# KiCad board Boston-keyboard-V06-1D.kicad_pcb (continued)
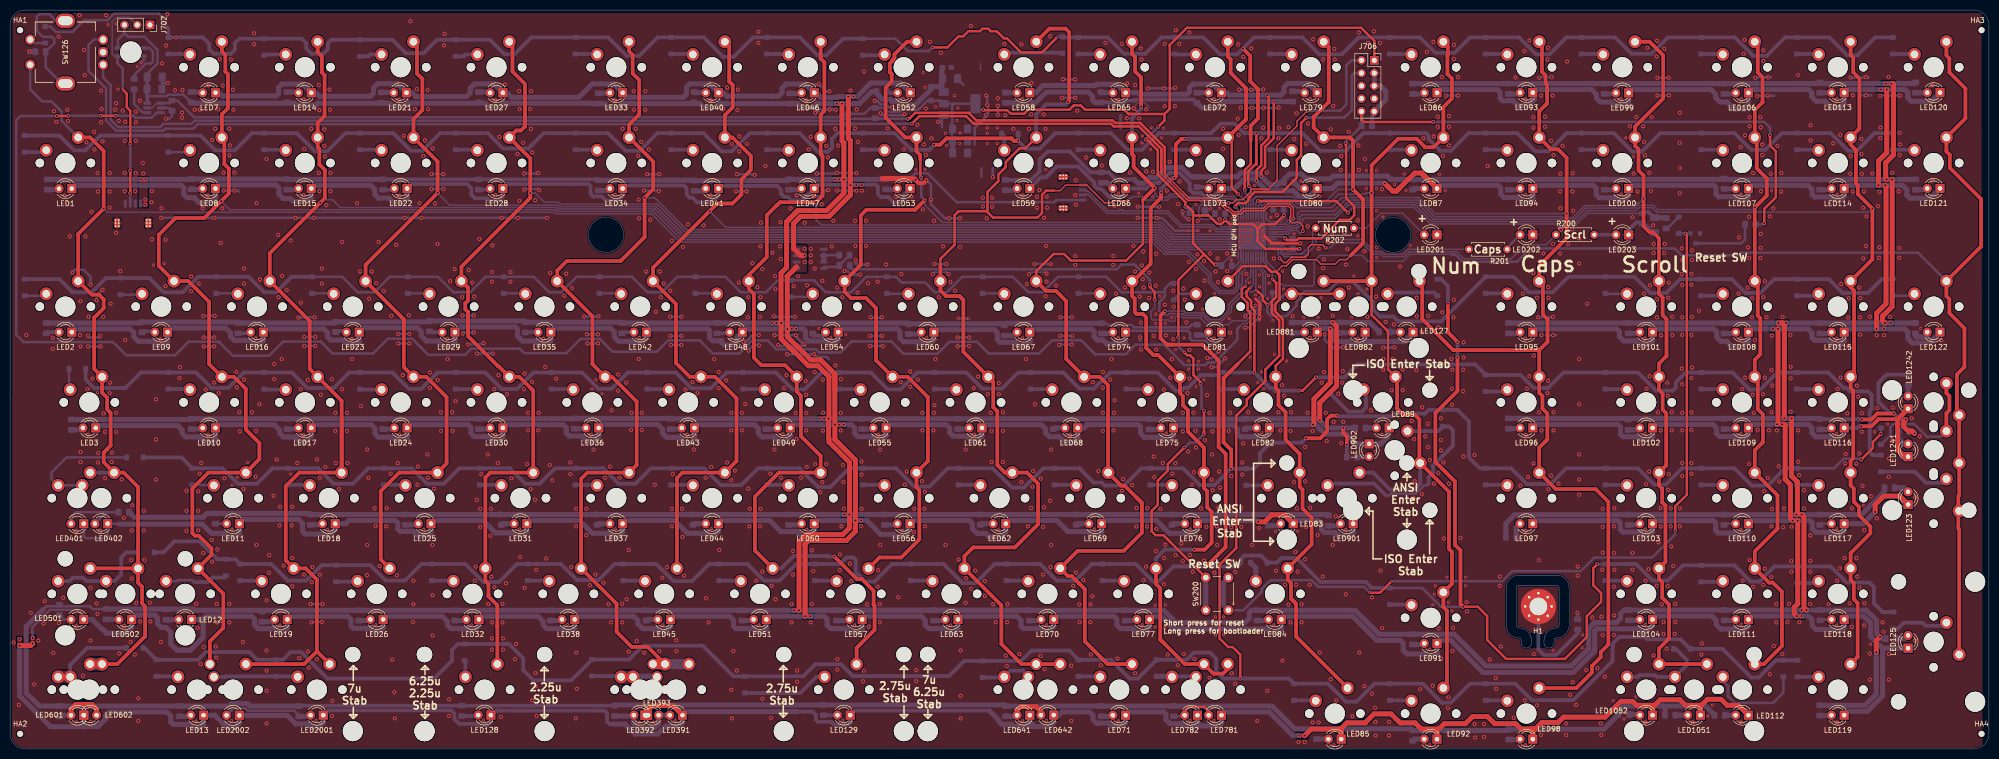
[diagram p0: board, top side]
## Routing (per net, layer and track width the routed paths; a pad name or vN(x,y) marks a point on that pad's centre or on a via; arc(x,y) is an arc through that point) (continued)
BOOT0: length 89.3
  Top w0.5: v1(248.1,109) 263.7,109 v1(266,106.7)
  Bottom w0.3: R702.2 313.65,106.55 ; 313.65,106.55 311.32,104.22 311.32,104.12 308.08,104.12 307.76,104.44 282.45,104.44 279.13,107.76 267.06,107.76 v1(266,106.7) ; 313.65,106.55 313.06,105.96 ; U701.44 247.71,108.61 v1(248.1,109)
  Bottom w0.75: 327,105.6 325.8,106.8 324.7,106.8
  Bottom w1: C715.1 329.21,105.69 R711.1
CAP_INDICATOR: length 3.9
  Bottom w0.5: LED202.2 297.7,99.75 R201.1
Col1: length 406.7
  Top w0.5: 26.24,35.14 SW5-2.1
  Top w0.75: SW6-1.1 21.32,16.88 26.86,22.42 26.86,22.42 26.86,28.33 26.24,28.94 26.24,32.28 25.45,33.07 SW5-2.1 ; SW5-1.1 SW5-2.1 ; SW5-2.1 25.45,52.12 22.59,54.98 SW4-2.1 18.62,57.04 18.62,58.95 19.32,59.65 19.32,59.7 20,60.38 20,66.88 19.3,67.58 19.3,69.88 18.3,70.87 SW3.1 16.72,75.62 16.72,85.79 18.62,87.69 18.62,89.43 17.67,90.38 16.24,90.38 SW2.1 13.54,102.45 v1(18.62,107.53) 18.62,118.96 15.92,121.66 SW1.1
  Bottom w0.3: 234.06,98.42 233.76,98.42 ; 234.06,98.42 238.3,94.17 238.3,92.78 240.41,90.66 243.4,90.66 244.29,91.56 244.29,94.33 244.52,94.56 244.52,95.46 245.71,96.65 U701.21 ; 234.06,98.42 229.53,98.42 227.11,100.84 133.16,100.84 127.54,106.46 108.53,106.46 108.23,106.76 19.39,106.76 v1(18.62,107.53)
  Bottom w0.5: SW126.S1 4,131.22 6.4,128.82 8.25,128.82 10.26,126.81 10.26,124.94 SW1.1
  Bottom w0.75: SW4-1.1 SW4-2.1
  Bottom w2: SW6-1.1 SW6-2.1
Col2: length 382.8
  Top w0.75: SW13.1 39.73,21.41 42.4,24.07 42.4,30.88 SW12.1 40.05,38.63 40.05,39.9 37.54,42.41 36.76,42.41 36.24,42.93 36.24,51.81 39.42,54.98 SW11.1 49.58,57.68 49.58,60.85 46.88,63.55 46.88,71.65 44.5,74.03 SW10.1 39.58,76.57 39.58,88.95 35.45,93.08 SW9.1 29.57,96.1 29.57,102.29 32.91,105.62 38.62,105.62 v1(41.98,108.98) 43.5,110.5 43.5,115.44 42.6,116.34 42.6,121.17 SW8.1 42.11,126.26 43.32,127.46 43.32,134.26 42.8,134.78 42.8,138.07 42.11,138.76 SW7.1
  Bottom w0.3: 229.82,98.9 232.77,98.9 ; 229.82,98.9 227.41,101.32 133.48,101.32 127.86,106.94 ; 229.82,98.9 234.38,98.9 238.8,94.47 238.8,92.95 240.61,91.14 243.2,91.14 243.81,91.75 243.81,94.57 244.01,94.78 244.01,95.63 245.21,96.83 ; 245.21,96.83 245.2,96.82 ; 245.21,96.83 U701.22 ; 108.44,107.24 62.42,107.24 62.34,107.33 60.71,107.33 60.62,107.24 43.72,107.24 v1(41.98,108.98) ; 108.44,107.24 108.51,107.16 ; 108.44,107.24 108.73,106.94 127.86,106.94 ; 127.86,106.94 128.14,106.66
Col3: length 363.4
  Top w0.75: SW18.1 57.51,54.98 54.81,52.28 54.81,37.52 SW19.1 58.78,35.93 61.01,33.71 61.01,19.42 ; SW18.1 65.93,69.27 SW17.1 59.58,75.62 59.58,85.14 SW16.1 51.64,98.64 v1(61.67,108.67) 62.59,109.59 62.59,115.19 61.5,116.28 61.5,119.38 61.17,119.71 SW15.1 61.17,124.56 62.54,125.94 62.54,134.04 62,134.57 62,137.78 61.1,138.68 61.17,138.74 SW14.1 ; SW18.1 65.93,65.93 ; SW20-2.1 58.47,16.88 61.01,19.42 ; 61.01,19.42 SW20-1.1
  Bottom w0.3: v1(61.67,108.67) 61.69,108.67 62.3,109.28 64.1,109.28 ; U701.25 230.05,99.38 227.62,101.8 133.8,101.8 128.18,107.42 ; 128.18,107.42 128.44,107.16 ; 128.18,107.42 108.95,107.42 108.65,107.72 65.66,107.72 64.1,109.28 ; 64.1,109.28 64.71,108.67
Col4: length 295.3
  Top w0.75: SW26.1 73.7,37.68 73.7,51.3 77.38,54.98 SW25.1 86.8,56.8 86.8,70 82.77,74.03 SW24.1 78.3,75.94 78.3,85.47 SW23.1 70.69,96.29 v1(85,110.6) 85,116.87 SW22.1 80.22,125.31 81.99,127.09 81.99,133.29 80.9,134.38 80.9,140.02 SW21.1
  Bottom w0.3: 128.4,107.9 128.49,107.81 ; 128.4,107.9 134,102.3 227.81,102.3 ; 128.4,107.9 109.17,107.9 108.88,108.2 87.4,108.2 v1(85,110.6) ; U701.26 230.22,99.88 227.81,102.3 ; 227.81,102.3 227.77,102.3
Col5: length 301.8
  Top w0.75: 96.88,24.59 96.88,28.59 95.13,30.34 ; 96.88,24.59 96.88,24.29 ; 96.88,24.59 SW128.1 ; 104.03,71.27 103.49,71.81 ; 104.03,71.27 SW31.1 95.48,54.98 94.5,54 SW32.1 94.5,33.43 95.13,32.8 95.13,30.34 ; 104.03,71.27 101.27,74.03 SW30.1 97.2,76.09 97.08,76.09 91.05,82.12 91.05,86.98 90.99,86.98 90.5,87.47 90.5,88.64 91.05,89.2 91.05,91.77 ; 102.39,123.85 102.39,127.69 ; 102.39,123.85 102.39,132.29 99.9,134.78 99.9,140.07 SW27.1 ; 102.39,123.85 101.57,123.03 100.65,123.03 SW28.1 103.45,117.47 v1(103.45,110.58) 103.45,109.65 89.74,95.94 SW29.1 91.05,91.77 ; 91.05,91.77 90.67,92.15 ; 95.13,30.34 95.13,30.64
  Bottom w0.3: 128.72,108.38 109.45,108.38 109.03,108.8 106.2,108.8 104.4,110.6 103.47,110.6 v1(103.45,110.58) ; 128.72,108.38 134.29,102.81 227.68,102.81 227.72,102.78 228,102.78 230.4,100.38 U701.27 ; 128.72,108.38 129.11,107.99
Col6: length 294.6
  Top w0.75: SW33.1 123.08,138.8 123.8,138.07 123.8,134.38 125.1,133.07 125.1,126.22 123.08,124.2 SW34.1 127.9,116.83 127.9,111.4 v1(126.18,109.67) 126.18,101.85 121.4,97.08 110.7,97.08 108.79,95.17 SW35.1 115.8,86.07 115.8,76.55 SW36.1 119.67,74.03 124.6,69.1 124.6,56.5 SW37.1 114.78,54.98 113.55,53.75 SW38.1 120.6,28.88 120.6,23.3 123.6,20.3 126.8,20.3 SW39-3.1
  Top w2: SW39-2.1 SW39-3.1
  Bottom w0.3: v1(126.18,109.67) 128.18,109.67 134.56,103.29 228.26,103.29 230.67,100.88 U701.28
  Bottom w2: SW39-3.1 SW39-1.1
Col7: length 246
  Top w0.75: 143,132.78 143,139.83 SW40.1 ; 143,132.78 143.7,132.07 143.7,127.67 142.13,126.1 SW41.1 143.65,121.66 147.3,118 147.3,115.2 145.41,113.31 145.41,110.29 143.64,108.51 140.61,108.51 v1(139.09,107) 127.84,95.74 SW42.1 132.4,88.52 132.4,76.78 135.15,74.03 SW43.1 140.17,74.03 144.45,69.75 144.45,57.3 SW44.1 133.68,54.98 132.6,53.9 SW45.1 ; 143,132.78 143,133.97
  Bottom w0.3: 158.85,103.77 228.49,103.77 230.88,101.38 U701.29 ; 158.85,103.77 158.73,103.77 ; 158.85,103.77 142.32,103.77 v1(139.09,107)
Col8: length 267.3
  Top w0.75: 152.53,108.25 152.2,107.92 ; 152.53,108.25 150.46,106.19 150.46,97.86 146.89,94.29 SW48.1 146.89,91.51 147.9,90.5 147.9,77.83 149.38,76.35 154.09,76.35 SW49.1 156.41,71.11 157.25,70.28 157.25,62.22 161.18,58.3 SW50.1 152.88,54.98 148.1,50.2 148.1,39.48 SW51.1 ; 152.53,108.25 152.57,108.25 153.1,108.78 v1(160.25,108.78) 161.55,110.08 161.55,117.92 161.18,118.3 SW47.1 161.18,126.18 161.91,126.91 161.91,136.61 161.18,137.35 ; SW46.1 161.18,137.35 ; 161.18,137.35 161.3,137.22 ; v1(163.9,38.28) 168.4,33.78 169.4,33.78 171.7,31.47 171.7,28.72 171.9,28.53 171.9,23.68 168.32,20.1 SW129.1
  Bottom w0.3: U701.30 231.06,101.88 228.73,104.22 228.73,104.25 161.32,104.25 160.25,105.33 ; 160.25,105.33 160.25,108.22 ; 160.25,105.33 v1(160.25,108.78)
  Bottom w0.75: SW51.1 153.34,35.93 155.81,38.39 162.49,38.39 162.6,38.28 v1(163.9,38.28)
Col9: length 210.6
  Top w0.5: v1(181.18,113.69) 181,113.87 181,117.26 180.96,117.3
  Top w0.75: 180.78,140.15 SW52.1 178.36,140.7 175.84,138.19 175.84,137.43 ; 175.84,137.43 175.46,137.05 175.46,136.91 174.92,136.37 174.92,134.65 175.3,134.26 175.3,132.78 174.1,131.57 174.1,125.58 178.02,121.66 SW53.1 180.23,118.88 180.96,118.15 180.96,117.3 ; 175.84,137.43 175.84,137.56 ; 179.96,107.26 v1(181.89,109.19) ; 179.96,107.26 170.26,107.26 169.16,106.16 169.16,96.3 SW54.1 165.94,90.96 167.2,89.7 170.2,89.7 172.2,87.7 172.2,77.3 SW55.1 178.47,74.03 182.5,70 182.5,57.25 SW56.1 180.23,52.07 180.8,51.5 180.8,41.7 177.2,38.1 172.87,38.1 SW57.1 ; 179.96,107.26 181.1,108.4
  Bottom w0.3: v1(181.89,109.19) 181.89,108.19 185.32,104.75 228.93,104.75 231.3,102.38 U701.31
  Bottom w0.5: v1(181.89,109.19) 181.18,109.89 v1(181.18,113.69)
Col10: length 250.3
  Top w0.3: 214.1,112.17 209.9,112.17 208.8,111.08 207.57,111.08 ; 214.1,112.17 214,112.17 ; 214.1,112.17 217.6,108.67 218.9,108.67 219.27,109.04 v2(222.14,109.04) 220.5,109.04
  Top w0.5: 188.62,107 188.45,106.83 ; 188.62,107 194.17,107 ; 188.62,107 187.81,106.19 187.81,100.31 184.99,97.49 184.99,96.09 ; 194.17,107 195.46,105.7 204.28,105.7 205.2,106.62 205.2,110.28 206,111.08 207.57,111.08 ; 194.17,107 194.22,107 194.35,107.12 194.35,110.83 196.5,112.97 196.5,114.28 198,115.78 198,116.78 200.7,119.47 201.86,119.47 SW59.1
  Top w0.75: v1(210.35,128.68) 210.6,128.93 210.6,142.6 209.9,143.3 206.64,143.3 SW58.1 ; SW64-2.1 SW64-1.1 201.12,16.88 197.1,20.9 197.1,28.58 SW63.1 189.75,38.35 191.5,40.1 199.8,40.1 204.4,44.7 204.4,52.8 202.22,54.98 SW62.1 197.82,54.98 196.3,56.5 196.3,67.17 195.49,67.99 195.49,73.06 SW61.1 189.54,79 189.54,89.36 188.8,90.1 186.1,90.1 184.99,91.21 SW60.1 184.99,96.09
  Bottom w0.3: 225.85,109.2 225.14,109.9 223.31,109.9 223.03,109.61 222.71,109.61 v2(222.14,109.04) ; 225.85,109.2 225.32,109.72 ; 225.85,109.2 230.11,109.2 230.11,109.23 230.21,109.23 230.83,109.84 233.42,109.84 233.88,109.39 236.28,109.39 236.9,108.76 ; 236.9,108.76 236.81,108.86 ; 236.9,108.76 240.07,108.76 240.75,109.44 243.16,109.44 244.71,107.89 U701.38
  Bottom w0.75: v1(210.35,128.68) 209.9,128.22 206,128.22 204.04,126.27 SW59.1
Col11: length 206.3
  Top w0.5: 206.16,97.16 206.19,97.16 207.5,98.47 209.57,98.47 210.89,97.16 221.91,97.16 225.25,100.5 225.25,109.25 ; 206.16,97.16 205.25,96.25 ; 206.16,97.16 204.04,95.04 SW67.1
  Top w0.75: SW65.1 223.09,138.28 223.7,137.68 223.7,134.78 224.89,133.59 ; SW71.1 218.22,16.88 213.7,21.4 213.7,31.8 212.6,32.9 212.57,32.9 211.1,34.38 210.36,34.38 SW70.1 212.27,39.4 221.43,39.4 225.05,43.03 225.05,48.95 ; 225.05,48.95 221.6,52.4 220.91,52.4 SW69.1 218.33,72.37 216.67,74.03 SW68.1 210,77.59 210,89.1 207.98,91.12 206,91.12 SW67.1 ; 225.05,48.95 223.8,50.2 ; 224.89,133.59 v1(224.89,127.78) ; 224.89,133.59 224.89,133.59 ; 225.25,109.25 v1(227.6,111.6) 223.41,115.79 223.41,118.02 223.09,118.34 SW66.1
  Bottom w0.3: U701.39 245.21,108.07 243.35,109.92 240.55,109.92 239.87,109.24 237.17,109.24 236.54,109.88 234.14,109.88 233.69,110.33 230.63,110.33 230.05,109.74 228.33,109.74 227.6,110.47 v1(227.6,111.6)
  Bottom w0.75: SW66.1 223.09,125.5 224.89,127.31 v1(224.89,127.78)
Col12: length 190.5
  Top w0.5: SW73.1 242.9,120.9 242.9,111.7 v1(244.2,110.4)
  Top w0.75: 238.92,41.05 237.52,39.65 v1(235.48,39.65) ; 238.92,41.05 238.92,47.19 238.03,48.08 238.03,51.27 237.38,51.92 SW76.1 237.38,59.95 234.2,63.13 234.2,67.38 233.22,68.36 233.22,70.19 232.62,70.8 SW75.1 228.29,78.36 227.34,78.36 225.91,79.78 225.91,85.88 225.25,86.53 224,86.53 223.63,86.91 223.63,89.57 223.09,90.11 SW74.1 223.35,93.08 226.8,96.53 226.8,107.59 228.89,109.68 ; 238.92,41.05 238.77,40.9 ; 245.76,125.28 245.68,125.19 ; 245.76,125.28 245.76,131.44 242.7,134.5 242.7,137.2 242.14,137.76 SW72.1 ; 245.76,125.28 SW73.1 ; v1(231.5,113.6) 231.8,113.9 231.8,120.3 232.88,121.38 v1(233.68,121.38) ; 228.7,21.78 228.7,31.97 227.85,32.82 SW77.1 ; 228.7,21.78 233.6,16.88 SW78-2.1 239.28,14.97 241.2,14.97 242.14,15.91 SW78-1.1 ; 228.7,21.78 229.55,20.93 ; 228.89,109.68 228.89,110.05 ; 228.89,109.68 v1(228.89,110.67)
  Bottom w0.3: U701.40 245.71,108.89 v1(244.2,110.4) ; 242.9,120.9 SW73.1
  Bottom w0.75: SW77.1 227.85,37.93 229.57,39.65 v1(235.48,39.65) ; 228.89,111.41 231.08,113.6 v1(231.5,113.6) ; 228.89,111.41 v1(228.89,110.67) ; 228.89,111.41 228.97,111.49 ; v1(233.68,121.38) 241.87,121.38 SW73.1
Col13: length 200.5
  Top w0.3: 266.57,98.17 265.75,97.34 264.37,97.34 263.5,96.47 260.64,96.47 259.77,97.34 255.02,97.34 253.77,96.1 252.93,96.1 251.77,94.94 ; 252.26,94.59 252.12,94.59
  Top w0.5: SW81.1 245.11,96.05 249.61,96.05 250.72,94.94 251.77,94.94 252.42,94.29 252.42,89.39 251.61,88.58 251.61,86.99 253.1,85.5 253.1,77.63 251.67,76.19 SW82.1
  Top w0.75: 251.67,74.02 SW82.1 251.67,71.83 252.2,71.3 252.2,68.4 253.61,66.99 253.61,61.52 256.43,58.7 SW83.1 256.43,52.17 257,51.6 257,47.8 258.8,46 258.8,40.68 SW84.1 254.05,33.65 254.7,33 254.7,29.9 ; 266.57,98.17 269.04,100.64 269.04,109.29 269.05,109.3 v1(267.02,111.33) 267.03,111.33 267.03,121.05 266.42,121.66 SW80.1 259.2,123.65 259.2,125.8 259.3,125.8 262.2,128.7 262.2,139.69 SW79.1 ; 255.36,29.24 254.7,29.9 ; 254.7,29.9 255.71,28.89 255.71,22.36 SW85.1
  Bottom w0.3: U701.43 247.21,109.27 247.79,109.85 255.15,109.85 256,109 261.7,109 264.02,111.33 v1(267.02,111.33)
Col14: length 206.2
  Top w0.5: SW88-2.1 270.71,86.36 274,83.08 274,75.51 SW89.1
  Top w0.75: SW92.1 285.7,12.81 285.7,27.5 285,28.2 SW91.1 286.7,32.87 286.7,39.2 286.1,39.8 286.1,51.18 SW90-2.1 ; 270.9,92.89 SW88-2.1 ; SW88-2.1 SW88-1.1 ; SW88-2.1 270.71,116.12 276,121.4 279.7,121.4 281.3,119.8 281.3,119.7 283.05,119.7 SW87.1 285,127.7 286.69,129.39 286.69,133.39 285.8,134.28 285.8,138.07 285.9,138.18 285.9,139.81 SW86.1 ; SW90-2.1 280.22,57.06 280.22,65.58 279.4,66.4 277.1,66.4 275.8,67.7 275.8,73.71 SW89.1 ; SW90-2.1 280.4,57.5
  Bottom w0.3: v1(270.71,110.61) 269.58,110.61 269.32,110.35 264.15,110.35 262.3,108.5 255.8,108.5 255.07,109.23 249.38,109.23 248.21,108.06 U701.45
  Bottom w0.75: SW90-2.1 280.4,52.8 279.2,51.6 274.4,51.6 271.02,54.98 SW90-1.1
Col15: length 258.4
  Top w0.75: 305.71,81.01 304.05,79.35 ; 305.71,81.01 305.39,80.69 ; 305.71,81.01 305.71,85.49 304.8,86.4 304.8,92.33 SW95.1 304.05,96.15 309.5,101.6 v1(309.5,106.5) 309.5,117.6 307.8,119.3 306.41,119.3 SW94.1 304.05,126.85 305.3,128.1 305.32,128.1 305.62,128.4 305.62,132.2 305.3,132.53 305.3,134 304.6,134.7 304.6,140.16 SW93.1 ; 304.05,79.35 286.95,79.35 280.8,85.5 280.8,92.52 280.41,92.91 280.24,92.91 ; 304.05,79.35 SW96.1 304.05,70.85 304.7,70.2 304.7,67.7 305.66,66.74 305.66,61.56 ; 305.66,61.56 304.05,59.95 SW97.1 307.33,51.7 315.27,51.7 317.8,49.17 317.8,20.78 316.3,19.28 316.3,18.28 314.55,16.53 314.55,15.22 311.44,12.12 ; 305.66,61.56 305.29,61.19 ; 311.44,12.12 SW98.1 ; 311.44,12.12 311.64,12.32
  Bottom w0.3: U701.46 248.71,107.51 248.7,107.52 248.7,107.7 249.75,108.75 254.75,108.75 255.8,107.7 262.8,107.7 264.8,109.7 280.12,109.7 283.32,106.5 v1(309.5,106.5)
Col16: length 227.4
  Top w0.75: 329.31,56.43 SW103.1 327.87,52.44 328.5,51.8 328.5,49.08 329.16,48.42 329.16,37.22 SW104.1 327.87,33.84 328.5,33.2 328.5,30.1 329.86,28.74 329.86,21.96 327.87,19.97 SW105-2.1 SW105-1.1 ; 329.31,56.43 329.31,66.79 328.6,67.5 328.6,70.7 327.87,71.44 SW102.1 327.87,76.67 329.36,78.16 ; 329.31,56.43 329.23,56.34 ; 329.36,78.16 329.29,78.09 ; 329.36,78.16 329.36,85.54 328.6,86.3 328.6,89.8 327.87,90.53 SW101.1 327.87,101.61 326.7,102.78 326,102.78 324.8,103.97 v1(324.8,109.47) 324.8,114.1 323.8,115.1 323.8,119.3 323.11,119.99 323.11,121.65 SW100.1 323.1,123.8 328.7,129.4 328.7,138 326,140.7 SW99.1
  Bottom w0.3: v1(324.8,109.47) 323.96,108.64 323.4,108.64 ; 323.4,108.64 323.56,108.64 ; 323.4,108.64 322.85,108.09 313.09,108.09 310.6,105.6 308.9,105.6 308.6,105.9 283.23,105.9 279.93,109.2 265.4,109.2 263.2,107 256.5,107 256.01,106.5 256.01,105.05 255.59,104.62 254.29,104.62 253.55,103.88 U701.3
Col17: length 242.2
  Top w0.75: 348.46,128.66 348.34,128.54 ; 348.46,128.66 346.92,127.12 SW107.1 347.3,121.27 347.3,115.5 349.3,113.5 349.3,110.1 v1(346.92,107.72) SW108.1 347.5,92.5 347.5,86.2 348.01,85.69 348.01,78.51 346.92,77.42 SW109.1 347.5,73.44 347.5,67.6 348.54,66.56 348.54,61.04 ; 348.46,128.66 348.46,133.64 347.5,134.6 347.5,140.12 SW106.1 ; 348.54,61.04 346.92,59.42 SW110.1 351.44,50.46 351.44,43.84 ; 348.54,61.04 348.11,60.61 ; 351.44,43.84 351.06,43.46 ; 351.44,43.84 346.92,39.31 SW111.1 349.75,33.1 350.5,33.1 352.3,31.3 352.3,20.47 348.71,16.88 SW112.1
  Bottom w0.3: v1(346.92,107.72) 346.5,107.3 327.6,107.3 326.75,108.15 323.6,108.15 323.04,107.6 313.28,107.6 310.78,105.1 308.7,105.1 308.4,105.4 282.96,105.4 279.64,108.72 265.92,108.72 263.5,106.3 256.93,106.3 256.49,105.87 256.49,104.85 255.79,104.14 254.49,104.14 253.72,103.38 U701.4
Col18: length 259.5
  Top w0.75: 365.96,16.88 367.38,18.29 367.37,18.31 367.37,29.03 366.6,29.8 366.6,33 365.96,33.63 365.96,38.97 369.9,42.9 369.9,44.22 367.62,46.5 367.62,48.18 366.6,49.2 366.6,51.8 365.96,52.44 365.96,57.27 366.5,57.8 366.5,71.3 365.96,71.83 365.96,74.03 366.65,74.72 366.65,91.17 365.96,91.86 365.96,93.08 370.3,97.42 v1(370.3,107.5) 367.4,110.4 367.4,112.17 367.02,112.55 367.02,119.15 365.96,120.21 365.96,121.66 367.71,123.4 367.71,133.39 366.5,134.6 366.5,137.5 365.96,138.03 365.96,140.7
  Bottom w0.3: v1(370.3,107.5) 369.6,106.8 327.4,106.8 326.53,107.67 323.83,107.67 323.24,107.09 313.51,107.09 311.03,104.6 308.5,104.6 308.18,104.92 282.68,104.92 279.36,108.24 266.12,108.24 263.48,105.6 257.32,105.6 256.98,105.25 256.98,104.66 255.98,103.66 254.68,103.66 253.9,102.88 U701.5
Col19: length 283.4
  Top w0.75: SW125.1 387.56,43.75 387.38,43.92 387.38,50.28 387.56,50.45 SW124-1.1 SW124-2.1 387.1,66.86 387.1,74.5 388.6,76 388.6,83.7 385.6,86.7 385.6,89.5 385.01,90.08 SW122.1 391.9,99.97 391.9,109.4 385.7,115.6 385.7,118.2 385.01,118.88 SW121.1 388.8,125.44 388.8,131.4 385.6,134.6 385.6,137.4 385.01,137.99 SW120.1
  Bottom w0.3: U701.13 249.71,97.11 252.46,94.36 252.46,92.84 253.11,92.19 255.66,92.19 255.76,92.09 258.93,92.09 259.28,92.44 259.28,97.02 260.46,98.19 268.82,98.19 269.97,97.04 277,97.04 278.4,98.44 286.56,98.44 286.66,98.34
  Bottom w0.5: 286.66,98.34 287.43,98.34 288.85,96.92 299.65,96.92 302.3,99.57 331,99.57 332.35,98.22 343.86,98.22 344.37,98.73 379.37,98.73 SW122.1
D+: length 33.1
  Bottom w0.2: U701.33 242.77,103.36
  Bottom w0.3: 242.79,103.37 240.04,103.37 239.1,104.31 232.9,104.31 230.2,107.02 221.24,107.02 221.21,107.02 221.18,107.03 221.16,107.04 221.14,107.06 221.12,107.09 221.11,107.12 221.11,107.17 221.1,107.2 221.08,107.23 221.06,107.25 221.04,107.26 221.01,107.27 220.98,107.27 220.64,107.27 220.61,107.27 220.58,107.26 220.56,107.25 220.54,107.23 220.52,107.2 220.51,107.17 220.51,107.12 220.5,107.09 220.48,107.06 220.46,107.04 220.44,107.03 220.41,107.02 220.38,107.02 218.3,107.02 214.37,110.94 214.01,110.94 213.75,111.2 J705.3 ; 242.79,103.37 U701.33 242.79,103.37
D-: length 32.8
  Bottom w0.2: U701.32 242.77,102.91
  Bottom w0.3: 242.79,102.89 U701.32 242.79,102.89 ; 242.79,102.89 239.85,102.89 238.9,103.83 232.7,103.83 230,106.53 218.1,106.53 214.18,110.46 214.01,110.46 213.75,110.2 J705.2
DI: length 9.6
  Bottom w0.5: R710.1 24.67,134.05 27,136.38 28,136.38 28.4,136.78 28.4,138.78 27.75,139.43 LED702.4
EncA: length 268
  Top w0.3: 238.23,109.59 234.43,109.59 229.6,114.42 229.6,114.78 ; 238.23,109.59 237.98,109.59 ; 238.23,109.59 240.2,109.59 242.05,107.75 242.38,107.75 243.24,106.88 243.24,106.88 244.48,106.88 245.16,107.56 249.2,107.56 250.06,108.42 254.47,108.42 255.18,107.7 v1(255.18,105.52)
  Top w0.5: 190.61,126.56 192.11,125.06 219.18,125.06 ; 190.61,126.56 190.8,126.38 ; 190.61,126.56 179.99,126.56 178.79,125.37 v1(178.5,125.37) ; 219.18,125.06 219.21,125.04 ; 219.18,125.06 219.7,124.55 224.69,124.55 224.74,124.5 224.77,124.5 229.55,119.72 229.6,119.72 229.6,114.78
  Bottom w0.3: v1(255.18,105.52) 254.82,105.16 254.05,105.16 253.27,104.38 U701.2
  Bottom w0.5: 36.66,124.99 165.11,124.99 165.47,125.35 167.94,125.35 167.96,125.37 v1(178.5,125.37) ; 36.66,124.99 36.62,124.95 ; 36.66,124.99 36.04,124.36 30.51,124.36 29.88,123.72 21.45,123.72 20,125.17 20,132.07 18.5,133.57 SW126.A
EncB: length 285
  Top w0.3: 254.45,105.03 254.73,104.75 256.39,104.75 257.05,104.08 v1(257.05,103.05) ; 254.45,105.03 254.45,105.86 254.64,106.05 254.64,107.57 254.27,107.94 250.26,107.94 249.4,107.07 245.44,107.07 244.77,106.4 244.77,106.39 243.04,106.39 242.21,107.23 242.21,107.23 241.85,107.23 239.98,109.11 234.23,109.11 228.92,114.42 228.92,114.84 ; 254.45,105.03 254.49,104.99
  Top w0.5: 228.92,119.35 228.92,118.4 ; 228.92,119.35 228.92,114.84 ; 228.92,119.35 224.42,123.86 219.43,123.86 218.93,124.36 191.62,124.36 ; 191.62,124.36 193.09,124.36 ; 191.62,124.36 190.09,125.88 ; 190.09,125.88 190.1,125.88 ; 190.09,125.88 180.81,125.88 v1(179.3,124.38)
  Bottom w0.3: U701.6 251.14,102.4 254.1,102.4 254.7,103 254.72,103 254.9,103.17 255.9,103.17 256.41,102.67 256.67,102.67 v1(257.05,103.05)
  Bottom w0.5: SW126.B 16.65,141.12 15.6,140.07 15.6,134.88 19.1,131.38 19.1,124.97 21.08,123 21.93,123 ; 21.93,123 21.88,123 ; 21.93,123 30.42,123 30.82,123.4 36.42,123.4 37.33,124.31 R708.1 166.78,124.36 174.44,124.36 174.46,124.38 v1(179.3,124.38)
LED_PWM: length 105.8
  Top w0.5: v1(226.65,92.3) 226.65,91.88 227.59,90.94 v1(227.59,89.33)
  Bottom w0.3: 249.13,90.57 248.91,90.35 ; 249.13,90.57 248.29,89.73 248.29,87.72 245.74,85.17 243.01,85.17 242.26,84.42 238.04,84.42 236.8,85.66 236.8,85.67 236.7,85.77 233.23,85.77 ; 249.13,90.57 249.13,94.74 248.84,95.03 248.83,95.03 248.21,95.64 U701.16 ; 233.23,85.77 233.2,85.8 ; 233.23,85.77 232.93,86.08 231.85,86.08 231.74,85.96 231.74,85.32 231.48,85.06 230.68,85.06 230.4,85.34 227.2,85.34 226.92,85.62 226.92,87.06 ; 227.6,89.32 v1(227.59,89.33) 227.59,87.72 226.92,87.06 ; 226.92,87.06 226.94,87.08
  Bottom w0.5: 167.14,95.68 167.39,95.43 201.44,95.43 ; 201.44,95.43 220.04,95.43 220.97,96.36 223.6,96.36 226.65,93.31 v1(226.65,92.3) ; 201.44,95.43 201.75,95.43
LED_switch: length 3193.1
  Top w0.5: v1(247.86,113.04) 247.86,115.19 248.8,116.12 248.8,120.08 250.25,121.53 250.25,129.78 v1(249.95,130.07)
  Top w0.75: v1(368.05,64.19) 370.09,64.19 371.5,65.61 375.32,65.61
  Top w1: 327.04,8.69 327.04,8.72 328.1,9.78 332.03,9.78 333.12,8.69 336.31,8.69 337.5,9.88 340.23,9.88 341.42,8.69 343.68,8.69 LED112.1 ; 327.04,8.69 326.6,8.25 LED1052.1 ; 327.04,8.69 323.42,8.69 322.63,9.47 320.3,9.47 317.16,6.34 308.88,6.34 307.82,5.28 304.6,5.28 303.3,3.97 302.5,3.97 ; v1(1.9,20.57) 4.1,20.57 v1(4.5,20.97) ; v1(351.36,64.58) 351.53,64.76 v1(351.53,83.56) ; v1(372.86,112.13) 373,111.99 373,88.58 371.13,86.71 v1(371.13,83.56) ; v1(352.36,64.58) 352.74,64.58 352.95,64.38 352.95,53.62 353.99,52.58 353.99,45.87 v1(354.44,45.42) ; 280.66,114.58 LED87.1 283.73,111.28 ; 280.66,114.58 279.3,114.58 278.07,113.35 278.05,113.35 275.68,110.97 ; 280.66,114.58 281.88,113.35 ; LED392.1 126.57,7.47 127.74,8.64 131.79,8.64 LED391.1 ; v1(167.1,112.17) 167.1,121.06 166.69,121.47 v1(166.69,129.79) ; v1(167.1,112.17) 167.1,111.08 ; v1(167.1,112.17) 167.1,110.21 162.84,105.94 157.2,105.94 155.8,104.54 ; LED92.1 283.73,3.7 284,3.97 ; v1(257.41,2.65) 258.73,3.97 264.36,3.97 ; v1(273.34,112.51) 274.04,111.81 274.06,111.81 274.9,110.97 275.68,110.97 ; LED83.1 253.4,46.58 250.87,46.58 249.48,45.19 v1(248.2,45.19) ; 161.17,77.41 161.4,77.17 ; 161.17,77.41 159.24,77.41 156.44,80.2 156.38,80.2 154.56,82.02 v1(154.56,83.56) 154.56,93.94 154.5,94 156.4,95.9 ; 161.17,77.41 164,74.58 ; 164,74.58 164,71.2 ; 164,74.58 v1(164,64.5) 164,61.58 168.1,57.47 168.1,45.62 ; 302.5,3.97 303.18,3.97 302.78,3.57 LED98.1 ; 302.5,3.97 300.42,3.97 299.36,5.03 295.19,5.03 293.77,6.44 290.8,6.44 289.38,5.03 285.17,5.03 284.12,3.97 284,3.97 ; LED85.1 264.68,3.65 264.36,3.97 ; 155.8,104.54 155.8,104.28 ; 155.8,104.54 155.8,99.58 157.22,98.16 157.7,98.16 ; 284,3.97 280.6,3.97 279.39,5.18 276.4,5.18 274.6,6.97 271.2,6.97 269.5,5.28 269.5,5.18 265.8,5.18 264.6,3.97 264.36,3.97 ; v1(168.08,45.46) 168.08,43.26 166.3,41.47 158.8,41.47 158.05,40.72 158.08,40.69 v1(158.08,26.41) ; v1(355.44,45.42) 355.45,45.41 355.45,28.88 354.75,28.18 354.75,26.96 v1(355.27,26.44) ; v1(371.51,112.13) 371.51,116.98 373.16,118.63 v1(373.16,131.18) ; LED123.1 375.7,50.32 372.56,50.32 370.85,48.61 v1(370.85,47.14) ; 275.68,110.97 276.51,111.81 ; v1(262.52,83.58) 262.52,72.9 259.24,69.62 259.24,64.68 v1(259.07,64.51) ; LED1241.1 376.67,58.16 375.32,59.5 375.32,65.61 LED1242.1 ; LED1051.1 336.12,8.27
  Bottom w0.5: v1(4.5,22.07) 4.5,23.07 4.4,23.18 4.4,24.18 7.9,27.68 13.4,27.68 14.65,26.42 LED501.1 ; LED74.1 222.11,83.2 223.14,83.2 223.16,83.19 234.17,83.19 234.64,82.72 234.64,81.67 235.11,81.19 237.72,81.19 238.44,80.47 239.65,80.47 240.87,81.69 LED81.1 ; LED401.1 14.65,42.32 15.05,41.93 18.9,41.93 19.41,42.44 LED402.1 21.63,44.82 21.72,44.72
  Bottom w0.75: 111.81,112.38 98.88,112.38 LED28.1 98,109.92 97.1,109.03 95.35,109.03 94.84,109.54 92.44,109.54 91.7,110.28 91.7,111.59 90.91,112.38 79.83,112.38 LED22.1 ; 111.81,112.38 115.03,112.38 115.42,111.99 115.42,110.47 115.98,109.91 117.66,109.91 118.49,109.09 120.81,109.09 121.85,110.12 121.85,111.45 LED34.1 122.41,112.09 134.05,112.09 134.53,111.61 134.53,110.29 135.14,109.68 135.69,109.68 136.65,108.72 139.45,108.72 140.86,110.13 LED41.1 141.38,112.02 152.52,112.02 153.29,111.25 153.29,110.51 154.01,109.79 154.69,109.79 155.35,109.12 157.54,109.12 ; 111.81,112.38 111.9,112.29 ; 212.38,115.88 215.08,113.17 215.1,113.17 215.6,112.67 215.6,112.08 216.2,111.47 216.9,111.47 218.7,109.67 220.8,109.67 221.4,110.28 221.4,111.08 LED66.1 225.89,111.5 227,112.6 228.4,112.6 230.4,114.6 232.5,114.6 234.57,112.53 234.57,111.29 ; 212.38,115.88 212.3,115.88 ; 212.38,115.88 208.1,115.88 205.95,113.72 ; 234.57,111.29 235.26,110.61 236.81,110.61 237.46,109.95 239.32,109.95 LED73.1 240.87,111.97 ; 234.57,111.29 234.75,111.11 ; 205.95,113.72 207.18,114.96 ; 205.95,113.72 204.95,113.72 202.77,111.55 LED59.1 ; 362.15,62.1 362.59,61.66 363.46,61.66 364.69,62.89 LED116.1 367.3,63.87 367.62,64.19 v1(368.05,64.19) ; 156.58,7.43 159.57,7.43 160.23,6.78 160.23,5.82 160.65,5.4 163.3,5.4 163.91,4.79 166.67,4.79 167.15,5.28 167.15,6.65 LED129.1 167.95,7.62 194.72,7.62 194.92,7.43 ; 157.54,109.12 158.77,110.36 ; 157.54,109.12 LED47.1 160.67,112.26 172.15,112.26 172.56,111.85 172.56,110.39 173.16,109.79 174.63,109.79 175.75,108.67 176.95,108.67 177.67,109.39 177.67,110.21 LED53.1 ; 119.88,4.95 119.22,4.95 118.69,5.49 118.69,7.15 118.21,7.62 96.78,7.62 96.73,7.67 95.8,6.74 LED128.1 95.61,5.41 94.95,4.75 93.24,4.75 93,5 89.28,5 88.34,5.94 88.34,7.09 87.77,7.67 63.23,7.67 62.91,7.36
  Bottom w1: LED882.1 269.4,82.88 269.4,81.03 ; 321.4,128.03 321.83,128.46 LED99.1 322.5,131.18 338.22,131.18 339.15,130.25 339.15,129.55 340,128.7 341.43,128.7 342.8,127.33 344.8,127.33 345.64,128.17 LED106.1 346.31,131.18 357.62,131.18 358.25,130.55 358.25,129.75 359.15,128.85 360.88,128.85 ; 321.4,128.03 319.05,128.03 318.38,128.7 316.2,128.7 315.45,129.45 315.45,130.2 314.47,131.18 303.4,131.18 LED93.1 303.05,130.3 303.05,129.18 303,129.18 301.75,127.92 299.9,127.92 298.86,128.97 296.74,128.97 296.27,129.43 296.27,130.62 295.71,131.18 284.38,131.18 LED86.1 ; 321.4,128.03 321.5,128.12 ; LED87.1 284.37,112.13 295.87,112.13 296.4,111.6 296.4,110.38 297.05,109.72 299.85,109.72 300.95,108.62 301.9,108.62 302.8,109.53 LED94.1 303.43,112.13 314.79,112.13 315.38,111.55 315.38,110.25 315.98,109.65 319.07,109.65 319.7,109.03 320.75,109.03 321.83,110.11 LED100.1 ; 201.59,4.46 203.81,4.46 ; 201.59,4.46 202.06,4.46 202.77,5.17 ; 201.59,4.46 199.56,4.46 199.13,4.89 197.21,4.89 196.5,5.61 196.5,5.85 194.92,7.43 ; 203.81,4.46 205.24,4.46 205.25,4.45 206.73,4.45 207.52,5.24 LED642.1 208.54,6.75 209.15,7.35 214.68,7.35 215.32,6.72 215.32,5.84 216.03,5.13 218.62,5.13 219.2,4.55 221.12,4.55 ; 203.81,4.46 203.1,5.17 202.77,5.17 ; 59.25,108.92 59.35,109.03 ; 59.25,108.92 59.89,109.57 LED15.1 60.53,112.13 71.7,112.13 72.53,111.3 72.53,110.33 73.28,109.58 75.4,109.58 76.35,108.62 78.05,108.62 79,109.58 79,111.44 LED22.1 ; 59.25,108.92 56.35,108.92 55.77,109.51 54.31,109.51 53.46,110.36 53.46,111.62 52.87,112.21 41.56,112.21 LED8.1 40.84,109.57 40,108.72 37.55,108.72 36.72,109.56 36.72,109.66 35.23,109.66 34.53,110.36 34.53,111.62 34.02,112.13 12.93,112.13 LED1.1 ; 235.2,132.28 235.37,132.28 ; 235.2,132.28 239.14,132.28 LED72.1 241.9,130.55 242.38,130.07 v1(249.95,130.07) 252.68,130.07 253.3,130.7 253.3,131.68 254.02,132.4 258.06,132.4 LED79.1 ; 235.2,132.28 234.5,131.57 234.5,130.66 234.08,130.25 224.6,130.25 224.31,130.55 LED65.1 220.12,132.25 216.02,132.25 215.77,132 205.4,132 203.94,130.55 LED58.1 ; 269.4,81.03 268.82,80.45 266.68,80.45 266.25,80.88 266.25,81.03 263.68,81.03 262.82,81.88 262.82,83.28 v1(262.52,83.58) 262.43,83.67 260.65,83.67 LED881.1 ; 269.4,81.03 271.29,81.03 271.31,81.05 277.23,81.05 278.97,82.8 LED127.1 ; LED641.1 202.77,5.17 ; 173.22,61.39 172.08,61.39 171.35,62.12 170.46,62.12 ; 173.22,61.39 173.55,61.72 ; 173.22,61.39 174.19,62.37 LED55.1 174.83,64.51 186.17,64.51 186.85,63.83 186.85,62.91 187.54,62.22 190.35,62.22 191.4,61.17 192.2,61.17 193.25,62.22 LED61.1 193.88,64.51 205.05,64.51 205.93,63.63 205.93,62.82 206.64,62.11 208.63,62.11 209.77,60.97 211.4,60.97 212.3,61.87 LED68.1 213.5,63.87 214.14,64.51 224.37,64.51 224.76,64.12 224.76,62.81 225.58,61.99 228.74,61.99 229.3,61.42 230.35,61.42 231.35,62.42 LED75.1 231.91,64.44 243.27,64.44 244,63.71 244,62.78 244.68,62.1 247.93,62.1 248.5,61.53 248.98,61.53 250.39,62.94 LED82.1 251.03,64.51 v1(259.07,64.51) 259.61,64.51 261.48,62.64 265.68,62.64 267.62,60.69 LED902.1 272.57,60.69 ; 372.28,20.06 369.95,22.38 369.95,25.05 368.56,26.44 365.37,26.44 LED118.1 364.69,24 364.21,23.51 362.09,23.51 361.85,23.75 359.1,23.75 358.3,24.55 358.3,25.75 357.61,26.44 v1(356.22,26.44) v1(355.27,26.44) 346.32,26.44 LED111.1 345.64,24.47 344.43,23.25 343.57,23.25 342.98,23.85 340.15,23.85 339.25,24.75 339.25,25.6 338.41,26.44 327.27,26.44 LED104.1 326.6,24.57 325.38,23.36 324.28,23.36 323.74,23.9 315.52,23.9 315.08,23.46 315.08,19.49 ; 372.28,20.06 372.33,20 372.33,10.51 369.31,7.49 365.29,7.49 364.69,6.9 LED119.1 ; 372.28,20.06 LED125.1 ; LED3.1 17.51,64.35 33.32,64.35 34.21,63.46 34.21,62.8 34.93,62.08 37.69,62.08 38.7,61.08 40.2,61.08 40.84,61.72 LED10.1 41.48,64.51 52.54,64.51 53.58,63.47 53.58,62.85 54.36,62.07 55.7,62.07 ; 272.57,60.69 273.84,61.97 273.84,62.93 ; 272.57,60.69 271.67,60.69 ; 315.08,19.49 314.53,18.94 ; 315.08,19.49 310.79,15.19 292.88,15.19 286.43,21.64 284.37,21.64 LED91.1 283.73,18.93 283.18,18.38 281.68,18.38 281.15,18.9 277.75,18.9 277,19.65 277,21.05 276.45,21.6 271.75,21.6 266.94,26.41 253.41,26.41 LED84.1 252.78,23.8 252.8,23.78 252.1,23.07 250.6,23.07 249.8,23.88 231.4,23.88 228.87,26.41 227.22,26.41 LED77.1 226.58,24.26 225.55,23.22 223.94,23.22 223.22,23.94 220.79,23.94 220.07,24.66 220.07,25.85 219.51,26.41 208.17,26.41 LED70.1 207.53,24.41 206.52,23.4 205.55,23.4 204.98,23.97 201.47,23.97 201.02,24.42 201.02,25.61 200.23,26.41 189.12,26.41 LED63.1 188.48,23.81 187.84,23.16 186.69,23.16 185.91,23.94 182.69,23.94 181.97,24.66 181.97,25.61 181.18,26.41 170.07,26.41 LED57.1 169.43,23.78 168.82,23.18 167.03,23.18 166.26,23.94 163.16,23.94 162.45,24.66 162.45,25.85 161.89,26.41 v1(159.08,26.41) v1(158.08,26.41) 151.02,26.41 LED51.1 150.38,23.88 149.82,23.32 148.43,23.32 147.81,23.94 144.35,23.94 143.87,24.42 143.87,25.61 143.08,26.41 131.97,26.41 LED45.1 131.33,24.43 130.18,23.28 129.03,23.28 128.36,23.94 125.78,23.94 124.82,24.9 124.82,25.61 124.03,26.41 112.92,26.41 LED38.1 112.28,24.01 111.75,23.47 110.45,23.47 109.98,23.94 106.73,23.94 106.01,24.66 106.01,25.37 104.98,26.41 93.87,26.41 LED32.1 93.23,24.58 ; LED83.1 255.8,45.46 260.06,45.46 260.75,44.77 260.75,43.64 261.32,43.07 263.45,43.07 264.25,42.28 266.27,42.28 267.15,43.15 267.15,44.73 LED901.1 ; LED100.1 322.47,112.13 338.79,112.13 339.2,111.72 339.2,110.35 339.7,109.85 343.07,109.85 343.76,109.16 344.94,109.16 345.64,109.87 LED107.1 345.64,111.5 346.28,112.13 357.49,112.13 358.3,111.33 358.3,110.33 358.82,109.8 362.05,109.8 362.6,109.25 364,109.25 364.69,109.94 LED114.1 365.36,112.13 v1(371.51,112.13) v1(372.86,112.13) 376.28,112.13 377.14,111.27 377.14,110.22 377.8,109.56 381.78,109.56 LED121.1 ; LED100.1 321.83,110.21 ; LED602.1 14.66,4.52 14.7,4.47 ; 17.52,4.47 14.7,4.47 ; 17.52,4.47 19.03,5.98 19.03,6.69 19.69,7.36 31.16,7.36 31.95,6.56 31.95,5.37 32.43,4.89 35.61,4.89 36.34,4.16 37.76,4.16 38.46,4.86 LED13.1 40.69,6.72 43.11,4.3 ; 17.52,4.47 17.98,4.94 ; 14.7,4.47 14.64,4.42 8.06,4.42 1.9,10.57 v1(1.9,20.57) 1.9,11.57 ; 236.09,5.45 LED782.1 236.09,4.92 ; LED95.1 303.43,83.57 319.43,83.57 320,83 320,82.03 320.85,81.17 323.3,81.17 324.1,80.38 325.85,80.38 326.6,81.12 LED101.1 327.23,83.56 338.79,83.56 339.35,83 339.35,81.9 340.15,81.1 341.38,81.1 342.4,80.08 344.6,80.08 345.64,81.12 LED108.1 346.28,83.56 v1(350.53,83.56) v1(351.53,83.56) 357.52,83.56 358.3,82.78 358.3,81.83 358.82,81.3 360.32,81.3 ; LED501.1 16.32,25.77 18.14,23.94 18.28,23.94 19.2,23.03 23.05,23.03 24.18,24.15 LED502.1 25.05,26.65 28.78,26.65 29.34,26.09 29.34,24.9 30.05,24.18 31,24.18 31.95,23.23 31.95,20.85 33.15,19.66 35.86,19.66 38.38,22.18 38.38,25.85 ; LED120.1 382.02,128.85 378,128.85 377.35,129.5 377.35,130.6 376.77,131.18 v1(373.16,131.18) v1(372.01,131.18) 365.31,131.18 LED113.1 364.69,128.32 364.1,127.72 362,127.72 360.88,128.85 ; 93.23,24.58 93.23,24.64 ; 93.23,24.58 92.18,23.53 91.35,23.53 90.93,23.94 87.68,23.94 86.96,24.66 86.96,25.37 85.93,26.41 74.82,26.41 LED26.1 74.18,24.08 73.55,23.45 72.1,23.45 71.55,24 68.3,24 67.8,24.5 67.8,25.75 67.14,26.41 55.51,26.41 55.13,26.03 LED19.1 55.13,23.98 54.45,23.3 53.35,23.3 52.71,23.94 49.31,23.94 48.62,24.63 48.62,25.85 48.06,26.41 38.94,26.41 38.38,25.85 ; 221.12,4.55 221.82,5.25 LED71.1 222.46,7.36 229.39,7.36 229.82,6.92 229.82,5.83 230.63,5.02 232.86,5.02 233.27,4.6 235.77,4.6 236.09,4.92 ; 221.12,4.55 221.35,4.78 ; 56.79,5 59.1,5 59.85,4.25 61.3,4.25 62.28,5.23 LED2001.1 ; 56.79,5 57,5 ; 56.79,5 55.11,6.68 45.61,6.68 LED2002.1 45.59,5.09 44.8,4.3 43.11,4.3 ; LED97.1 302.78,45.05 303.15,45.42 319.74,45.42 320.15,45.01 320.15,43.68 320.69,43.14 324.11,43.14 324.64,42.61 326.01,42.61 326.6,43.19 LED103.1 327.19,45.42 338.72,45.42 339.14,45 339.14,43.48 339.65,42.97 342.4,42.97 343.05,42.32 ; 362.15,62.1 359.03,62.1 358.28,62.85 358.28,63.87 357.57,64.58 v1(352.36,64.58) v1(351.36,64.58) 346.36,64.58 LED109.1 345.64,62.47 344.77,61.6 343.6,61.6 343.05,62.15 339.94,62.15 339.31,62.78 339.31,63.85 338.58,64.58 327.31,64.58 LED102.1 326.6,62.07 326.12,61.6 324,61.6 323.49,62.11 320.75,62.11 320.2,62.66 320.2,64.05 319.67,64.58 303.49,64.58 LED96.1 ; LED12.1 38.31,25.77 38.38,25.85 ; 343.05,42.32 343.94,42.32 ; 343.05,42.32 344.85,42.32 345.64,43.12 LED110.1 346.24,45.42 v1(354.44,45.42) v1(355.44,45.42) 357.87,45.42 358.37,44.92 358.37,43.81 358.94,43.24 358.95,43.24 359.09,43.1 361.9,43.1 362.5,42.5 363.7,42.5 364.69,43.5 LED117.1 368.5,44.82 370.82,47.14 v1(370.85,47.14) ; 43.11,4.3 42.3,5.11 ; LED52.1 177.07,132.47 171.13,132.47 168.45,129.79 v1(167.72,129.79) v1(166.69,129.79) 164.49,129.79 164.3,129.6 161.22,129.6 160.28,130.55 LED46.1 158.15,132.3 154.35,132.3 153.5,131.45 153.5,130.57 152.78,129.85 151.32,129.85 151.3,129.88 142.47,129.88 141.81,130.55 LED40.1 139.08,132.32 135.15,132.32 134.47,131.65 134.47,130.2 133.93,129.65 122.82,129.65 121.93,130.55 LED33.1 120.03,132.32 115.8,132.32 113.12,129.65 99.68,129.65 98.78,130.55 LED27.1 96.22,132.32 92.38,132.32 91.5,131.45 91.5,130.55 90.72,129.78 80.68,129.78 79.91,130.55 LED21.1 77.01,132.35 73.12,132.35 72.28,131.5 72.28,130.45 71.67,129.85 61.47,129.85 60.78,130.55 LED14.1 58.15,132.29 54.1,132.29 53.39,131.58 53.39,130.39 52.91,129.91 42.19,129.91 41.56,130.55 LED7.1 ; 21.72,44.72 38.22,44.72 40.05,42.9 42.65,42.9 43.38,42.18 44.85,42.18 45.61,42.93 LED11.1 46.47,45.68 57.34,45.68 58.15,44.87 58.15,43.23 58.62,42.76 62.19,42.76 62.5,42.45 63.45,42.45 64.66,43.66 LED18.1 66.76,44.82 67.4,45.46 76.57,45.46 77.1,44.93 77.1,43.76 77.57,43.29 80.13,43.29 80.89,42.54 83.29,42.54 83.71,42.96 LED25.1 84.35,45.46 94.04,45.46 96.5,43 100.12,43 100.57,42.55 102.25,42.55 102.76,43.06 LED31.1 103.4,45.46 113.24,45.46 115.8,42.9 119.3,42.9 120.1,42.1 120.9,42.1 121.81,43.01 LED37.1 122.45,45.46 132.14,45.46 134.7,42.9 138.5,42.9 138.5,42.82 139,42.32 139.88,42.32 140.86,43.31 LED44.1 141.5,45.46 151.04,45.46 153.26,43.24 156.45,43.24 157.39,42.3 158.88,42.3 159.91,43.33 LED50.1 160.55,45.46 v1(168.08,45.46) v1(169.23,45.46) 170.34,45.46 173.1,42.7 175.72,42.7 176.15,42.28 177.8,42.28 178.5,42.97 178.5,44.36 LED56.1 179.6,45.46 190.72,45.46 191.36,44.81 191.36,43.81 192.3,42.88 194,42.88 194.68,42.2 197.12,42.2 198.01,43.08 LED62.1 198.65,45.46 208.14,45.46 210.35,43.25 214.3,43.25 215.12,42.43 216.55,42.43 217.06,42.93 LED69.1 217.7,45.46 227.94,45.46 230.5,42.9 233.8,42.9 234.1,42.6 235.02,42.6 236.11,43.68 LED76.1 236.75,45.46 247.93,45.46 v1(248.2,45.19) ; 236.09,4.92 236.33,4.92 236.68,4.57 240.35,4.57 240.87,5.09 LED781.1 241.51,7.36 250.35,7.36 255.06,2.65 v1(256.35,2.65) ; 119.88,4.95 122.3,4.95 124.3,2.95 128.75,2.95 130.32,4.53 133.03,4.53 133.71,5.21 LED391.1 134.42,7.43 156.58,7.43 ; 378.25,80.78 381.75,80.78 381.75,80.92 LED122.1 ; 378.25,80.78 377.35,81.67 377.35,82.95 376.74,83.56 v1(372.63,83.56) v1(371.13,83.56) 365.33,83.56 LED115.1 364.69,81.12 363.7,80.12 362.65,80.12 361.48,81.3 360.32,81.3 ; 378.25,80.78 377.8,81.22 ; 55.7,62.07 56.61,62.07 57.6,61.08 58.7,61.08 59.89,62.27 LED17.1 60.53,64.51 71.82,64.51 72.56,63.77 72.56,62.72 73.26,62.02 76.06,62.02 76.75,61.33 78.25,61.33 78.94,62.02 LED24.1 79.58,64.51 91.07,64.51 91.64,63.94 91.64,62.8 92.31,62.13 95.15,62.13 96.2,61.08 97,61.08 98,62.07 LED30.1 98.63,64.51 109.99,64.51 110.6,63.9 110.6,62.84 111.19,62.25 113.62,62.25 114.7,61.17 116.1,61.17 117.04,62.12 LED36.1 117.76,64.58 128.76,64.58 129.74,63.6 129.74,62.82 130.58,61.98 133.09,61.98 134.2,60.88 135.3,60.88 136.09,61.67 LED43.1 136.73,64.51 148.03,64.51 148.78,63.76 148.78,62.79 149.47,62.1 151.78,62.1 152.7,61.17 154.1,61.17 155.15,62.22 LED49.1 155.78,64.51 v1(164.88,64.51) v1(165.78,64.51) 167.27,64.51 167.94,63.84 167.94,62.78 168.6,62.12 170.46,62.12 ; 55.7,62.07 55.41,62.07 ; 360.88,128.85 360.82,128.85 ; 360.32,81.3 360.18,81.3 ; LED2.1 12.91,83.56 23.89,83.56 24.6,82.85 24.6,82 25.5,81.1 28.38,81.1 29.17,80.3 30.53,80.3 31.32,81.09 LED9.1 32.14,83.74 42.86,83.74 43.85,82.75 43.85,82.03 44.6,81.28 47.64,81.28 48.5,80.42 49.55,80.42 50.37,81.25 LED16.1 51.01,83.56 62.39,83.56 63.15,82.8 63.15,81.95 63.76,81.34 66.14,81.34 67.12,80.36 68.88,80.36 69.45,80.92 69.42,80.95 LED23.1 70.29,83.79 81.06,83.79 81.75,83.1 81.75,82.2 82.8,81.15 85.12,81.15 86.25,80.03 87.75,80.03 88.47,80.75 LED29.1 89.51,83.96 100.44,83.96 100.9,83.5 100.9,82.15 101.9,81.15 104.43,81.15 105.15,80.42 106.65,80.42 107.43,81.2 107.52,81.2 LED35.1 108.32,83.72 119.38,83.72 120.15,82.95 120.15,81.95 121,81.1 123.28,81.1 123.5,80.88 125.7,80.88 126.57,81.75 LED42.1 127.21,83.56 138.74,83.56 139.1,83.2 139.1,81.75 139.65,81.2 141.53,81.2 141.53,80.85 142,80.38 143.9,80.38 144.6,81.08 144.6,81.88 144.59,81.89 LED48.1 146.26,83.56 v1(155.43,83.56) 157.74,83.56 158.15,83.15 158.15,81.75 158.75,81.15 162.22,81.15 162.82,80.55 163.88,80.55 164.67,81.34 LED54.1 164.67,83.17 165.06,83.56 176.43,83.56 176.95,83.04 176.95,81.73 177.67,81.01 180.69,81.01 180.97,80.72 183.05,80.72 183.72,81.39 LED60.1 183.72,83.19 183.93,83.4 195.76,83.4 196.29,82.87 196.29,81.41 196.8,80.9 199.72,80.9 200.45,80.17 201.95,80.17 202.85,81.08 202.85,82.84 LED67.1 203.36,83.51 215.06,83.51 215.55,83.02 215.55,81.96 216.12,81.39 216.15,81.39 216.2,81.34 217.29,81.34 218.05,80.58 221.4,80.58 221.82,81 LED74.1 ; v1(273.34,112.51) 273.27,112.58 263.95,112.58 262.88,111.5 LED80.1 258.27,109.85 256.32,109.85 255.12,111.05 249.85,111.05 v1(247.86,113.04) 247.5,113.4 245.4,113.4 243.5,111.5 LED73.1 ; 62.91,7.36 62.28,6.72 ; 170.46,62.12 170.25,62.12